# Allegro board hdk2_0-hmd-2-pvt-l8-0526p1530.brd (continued)
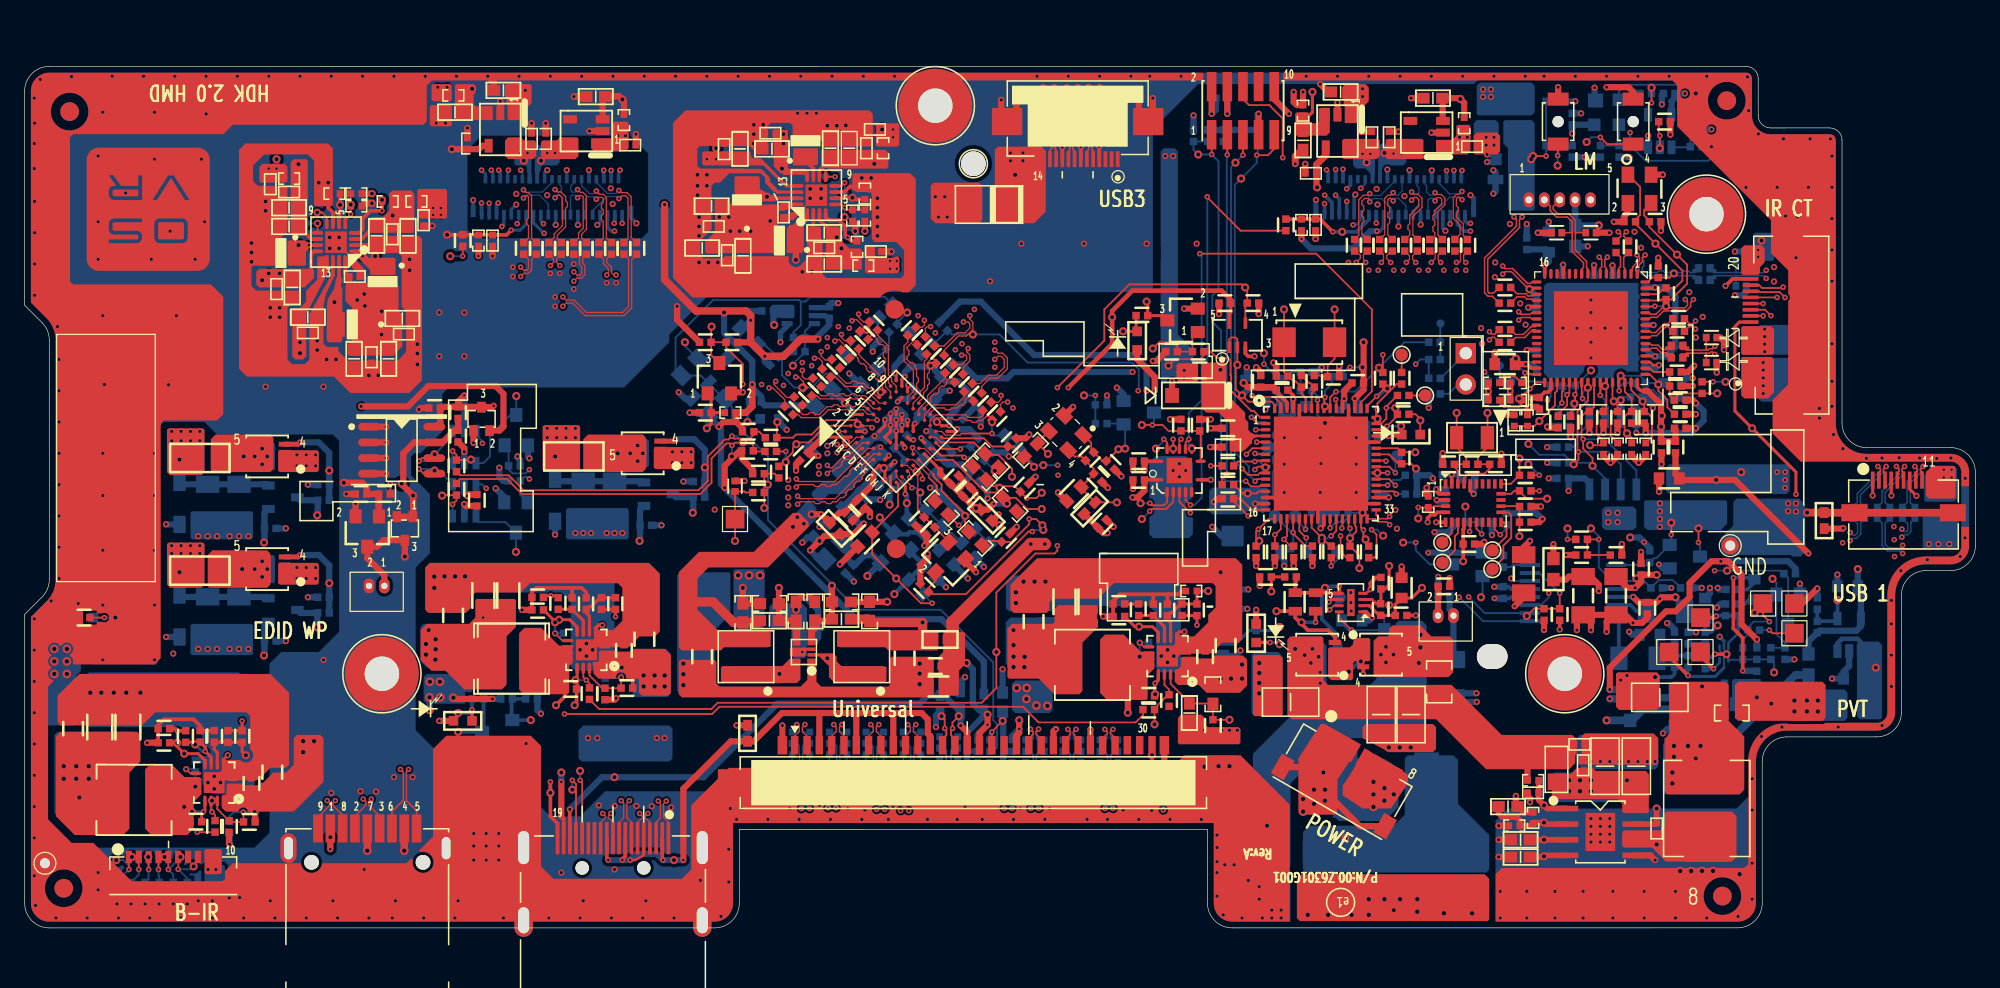
[diagram p0: board, top side]
## Library data of the parts (continued)
FB1 FB2 FB4 FB6-FB9 FB11 FB16 FB23 FB24 FB56 FB58-FB70 FB79 = FERRITE BEAD
FID1-FID16 = FID
FS1-FS3 = AMN_PTC
J1 = CON2_10
J4 = CONN9,USB3,UEA111JC-RA4U4-7H_1
J6 = CON10A_1
J10 = CON5_4
J15 J18 J102 = 2 HEADER
J20 = CON34_6
J22 = CON2_12
J28 = CON24_0
J66 = CON5_8
J68 = CON2_3
J69 = CON2_4
J71 = CON34_7
J101 = CON2_5
L1 L21 L22 = CHOKE_C-MODE_0504-DLP11SN900SL2
L4 L5 L8 L9 L12 L13 L36 L37 = INDUCTOR
L23 = INDUCTOR_1
L25 L30-L35 = INDUCTOR_2
LD4 LD5 LD8 LD11 LD13 LD16 LD17 = LED
M1-M6 = Mounting Hole
Q7 Q11 Q15 Q28 Q32 Q40 Q42 Q43 = MMBT2222ALT1G_0
Q10 Q21 Q23 Q25 Q26 Q30 Q31 Q41 = N-MOSFET
Q19 Q20 Q34 Q36 Q38 = N-CH PowerPAK1212-8
Q29 = FDY3000NZ
Q33 Q35 Q37 = 2N7002/SOT_0
R19 R25 R28 R30 R37 R41 R52 R55 R62-R67 R72 R75 R76 R79 R83-R87 R91 R92 R94-R96 R103 R107 R112 R113 R115 R122 R186 R193 R196 R197 R202 R206 R210 R219 R220 R222 R235 R237 R239 R245 R247 R248 R252 R253 R255 R259 R271 R274 R278 R287 R303 R316 R323 R331 R336 R340 R341 R350-R353 R440 R450 R453 R455 R461-R472 R507-R529 R531 R532 R536 R539 R540 R542-R548 R552-R555 R558-R563 R742 R744 R748-R751 R758-R761 R763-R765 R768 R770 R772 R775 R781 R795 R800 R802 R803 R806 R830 R1001 R1002 R1085-R1093 R1096-R1101 R1103-R1153 R1156-R1158 = RESISTOR
R106 R127 R199 R207 R254 R265-R269 R286 R309 R313 R369 R791 R1160 = R0402
R564-R566 R729 R1003 = R_25
R567 R569-R575 R578-R583 R762 R792-R794 R796-R799 R801 R804 R805 R807 R808 R844-R851 R1155 = R: room: 14
R568 R600-R637 R700 R711-R716 R728 R730-R741 R825 R838-R843 R1004 R1154 R1159 = 1_0.00K-1/10W-1%-0603
R717 R826 R1161 R1162 = R_66
R743 R745 R746 = R 0 5% 1/16W 0402
R1094 R1095 R1102 = R 0 5% 1/10W 0805
SW1 SW2 = SW PUSHBUTTON_1
T1 T2 = HOLE
TP7 TP8 = TH_TP
TP10-TP13 TP17 TP18 TP37-TP42 TP54-TP59 TP101 TP102 = T POINT R
TP27 TP28 TP50 TP51 TP110 TP111 = CON1,TP,SMT,TestPad_C26_0: room: 3
TP60 TP104 TP105 = CON1,TP,SMT,TestPad_C26_0: room: 8
U4 U16 U29 = TPS54218RTER
U6 U8 = RCLAMP0524P
U7 = MIC8114TUY_0: room: U5
U12 = ATmega128L_1
U33 = SP1004
U34 = SP3050_0
U35 = SN74LVC1G08-EP_1
U36 = UDA1334BTS: User Part Number: ***; Tolerance: ***; room: U20
U41 = LTC4365ID_0
U45 = LTC4365ID
U46 = USB5534_QFN64_10
U47 = SPI_FLASH-25X20_SO8_0
U50 = TPS715xx_4
U51 = RT9202CS_0
U52 U62 = TPS54218RTER_0
U53 U54 U60 U61 = MIC5205-5_0.0BM5
U55 = TXB0104RGYR_2
U57 = TC358870XBG
U63 = LD1117-xxx_2
U64 U66 = TS5A3157_0
U65 = 24C16_2
U111 = 74LVC1G07_0
Y1 Y5 = XTALCAN_0
Y6 = XTAL-4
Y7 = D3SX48E00000CE

## Footprints (pads in the part's own frame, mm; a bottom-side part is the same pattern mirrored in y, then rotated)
8-LEAD_DFN3X2
  rect 0.711x0.254 smd: 1(-0.95,0.75) 2(-0.95,0.25) 3(-0.95,-0.25) 4(-0.95,-0.75) 5(0.95,-0.75) 6(0.95,-0.25) 7(0.95,0.25) 8(0.95,0.75)
  rect 0.61x2.21 smd: 9(0,0)
053047-0210
  oval 0.864x1.219 hole 0.508: 1(0.625,-0.35) 2(-0.625,-0.35)
53047-0510
  oval 0.864x1.219 hole 0.559: 1(2.5,0) 2(1.25,0) 3(0,0) 4(-1.25,0) 5(-2.5,0)
ABM3
  rect 1.905x2.413 smd: 1(-2.052,0) 2(2.052,0)
ACES_50502-14
  rect 0.305x1.295 smd: 1(-3.25,0) 2(-2.75,0) 3(-2.25,0) 4(-1.75,0) 5(-1.25,0) 6(-0.75,0) 7(-0.25,0) 8(0.25,0) 9(0.75,0) 10(1.25,0) 11(1.75,0) 12(2.25,0) 13(2.75,0) 14(3.25,0)
  rect 2.464x2.21 smd: S1(-5.727,-3.05) S2(5.727,-3.05)
ACES_50502-20
  rect 0.305x1.295 smd: 1(-4.75,0) 2(-4.25,0) 3(-3.75,0) 4(-3.25,0) 5(-2.75,0) 6(-2.25,0) 7(-1.75,0) 8(-1.25,0) 9(-0.75,0) 10(-0.25,0) 11(0.25,0) 12(0.75,0) 13(1.25,0) 14(1.75,0) 15(2.25,0) 16(2.75,0) 17(3.25,0) 18(3.75,0) 19(4.25,0) 20(4.75,0)
  rect 2.159x2.21 smd: S1(-7.075,-3.05) S2(7.075,-3.05)
ACES_88460-10
  rect 0.508x1.016 smd: 1(-3.6,0) 2(-2.8,0) 3(-2,0) 4(-1.2,0) 5(-0.4,0) 6(0.4,0) 7(1.2,0) 8(2,0) 9(2.8,0) 10(3.6,0)
  rect 1.194x1.702 smd: S1(4.9,-1.95) S2(-4.9,-1.95)
B3U-1000P-B
  round 0.914 hole 0.914 unplated: (0,0)
  rect 1.067x1.702 smd: 1(-1.829,0) 2(1.829,0)
C0402
  rect 0.559x0.559 smd: 1(-0.457,0) 2(0.457,0)
C0603
  rect 1.016x0.889 smd: 1(-0.775,0) 2(0.775,0)
C1206
  rect 1.27x1.651 smd: 1(-1.397,0) 2(1.397,0)
CAPN_RCLAMP0524
  rect 0.203x0.686 smd: 1(-1,-0.437) 2(-0.5,-0.437) 4(0.5,-0.437) 5(1,-0.437) 6(1,0.437) 7(0.5,0.437) 8(0,0.437) 9(-0.5,0.437) 10(-1,0.437)
  rect 0.406x1.549 smd: 3(0,0)
CASE-A-3216
  rect 1.676x1.803 smd: N(1.384,0) P(-1.384,0)
CC0402_IPC7351
  rect 0.61x0.61 smd: 1(-0.47,0) 2(0.47,0)
CC0603_IPC7351
  rect 0.864x0.991 smd: 1(-0.826,0) 2(0.826,0)
CC0805_IPC7351
  rect 1.092x1.397 smd: 1(-0.927,0) 2(0.927,0)
CC1206-18
  rect 1.397x1.905 smd: 1(-1.549,0) 2(1.549,0)
CHILISIN_LVS404026
  rect 4.013x1.194 smd: 1(0,1.4) 2(0,-1.4)
CHYAO_JS-1191PSDR-11
  rect 0.305x1.397 smd: 1(-2.5,0) 2(-2,0) 3(-1.5,0) 4(-1,0) 5(-0.5,0) 6(0,0) 7(0.5,0) 8(1,0) 9(1.5,0) 10(2,0) 11(2.5,0)
  rect 2.108x1.397 smd: S1(3.998,-2.65) S2(-3.998,-2.65)
CM315-32_768KDZC
  rect 1.092x1.905 smd: 1(-1.25,0) 2(1.25,0)
D-SMB
  rect 1.829x2.54 smd: 1(2.261,0) 2(-2.261,0)
DFE252012C
  rect 1.295x2.007 smd: 1(-1.255,0) 2(1.255,0)
DFN2X1_5-8
  rect 0.61x0.254 smd: 1(-0.6,0.675) 2(-0.6,0.225) 3(-0.6,-0.225) 4(-0.6,-0.675) 5(0.6,-0.675) 6(0.6,-0.225) 7(0.6,0.225) 8(0.6,0.675)
  rect 0.254x0.711 smd: 9(0,0)
DIO_RCLAMP0521P
  rect 0.559x0.61 smd: 1(-0.425,0) 2(0.425,0)
FB0402
  rect 0.889x0.711 smd: 1(-0.65,0) 2(0.65,0)
FB0603
  rect 1.092x1.016 smd: 1(-0.85,0) 2(0.85,0)
FB1206
  rect 1.6x1.803 smd: 1(-1.397,0) 2(1.397,0)
FIDUSHEL
  round 1.524 smd: 1(0,0)
FIDUSHEL#2
  round 0 smd: 1(0,0)
FINGER79X158
  rect 2.007x4.013 smd: 1(0,0)
HOLEC79D79N
  round 2.007 hole 2.007 unplated: (0,0)
HOLEC236D110
  round 5.994 hole 2.794: 1(0,0)
HOLEO98X79N
  oval 2.489x2.007 hole 2.489x2.007 unplated: (0,0)
HOSONIC-3225
  rect 1.194x0.94 smd: 1(-1.1,-0.875) 2(1.1,-0.875) 3(1.1,0.875) 4(-1.1,0.875)
HRS_FH35C-39S-0_3SHW
  rect 0.305x0.787 smd: 1(5.7,0.4) 3(5.1,0.4) 5(4.5,0.4) 7(3.9,0.4) 9(3.3,0.4) 11(2.7,0.4) 13(2.1,0.4) 15(1.5,0.4) 17(0.9,0.4) 19(0.3,0.4) 21(-0.3,0.4) 23(-0.9,0.4) 25(-1.5,0.4) 27(-2.1,0.4) 29(-2.7,0.4) 31(-3.3,0.4) 33(-3.9,0.4) 35(-4.5,0.4) 37(-5.1,0.4) 39(-5.7,0.4)
  rect 0.305x0.66 smd: 2(5.4,3.275) 4(4.8,3.275) 6(4.2,3.275) 8(3.6,3.275) 10(3,3.275) 12(2.4,3.275) 14(1.8,3.275) 16(1.2,3.275) 18(0.6,3.275) 20(0,3.275) 22(-0.6,3.275) 24(-1.2,3.275) 26(-1.8,3.275) 28(-2.4,3.275) 30(-3,3.275) 32(-3.6,3.275) 34(-4.2,3.275) 36(-4.8,3.275) 38(-5.4,3.275)
  rect 0.406x0.94 smd: S1(-6.4,0.675) S2(6.4,0.675)
I-PEX_20389-030E
  rect 0.61x1.499 smd: 1(-14.5,3.1) 2(-13.5,3.1) 3(-12.5,3.1) 4(-11.5,3.1) 5(-10.5,3.1) 6(-9.5,3.1) 7(-8.5,3.1) 8(-7.5,3.1) 9(-6.5,3.1) 10(-5.5,3.1) 11(-4.5,3.1) 12(-3.5,3.1) 13(-2.5,3.1) 14(-1.5,3.1) 15(-0.5,3.1) 16(0.5,3.1) 17(1.5,3.1) 18(2.5,3.1) 19(3.5,3.1) 20(4.5,3.1) 21(5.5,3.1) 22(6.5,3.1) 23(7.5,3.1) 24(8.5,3.1) 25(9.5,3.1) 26(10.5,3.1) 27(11.5,3.1) 28(12.5,3.1) 29(13.5,3.1) 30(14.5,3.1)
  rect 2.311x2.311 smd: G1(-19.579,0) G2(19.579,0)
  rect 0.787x1.499 smd: S1(-15.5,3.1) S2(15.5,3.1)
IND_DLP11S
  rect 0.711x0.305 smd: 1(-0.625,-0.275) 2(0.625,-0.275) 3(0.625,0.275) 4(-0.625,0.275)
IND_DLW5BT
  rect 2.311x1.702 smd: 1(-1.6,1.5) 2(-1.6,-1.5) 3(1.6,-1.5) 4(1.6,1.5)
IND_IHLP2020CZ
  rect 1.93x2.794 smd: 1(-2.032,0) 2(2.032,0)
IND_XAL5030-332ME
  rect 1.18x4.34 smd: 1(-1.655,0) 2(1.655,0)
INDC0805
  rect 1.295x1.499 smd: 1(-1,0) 2(1,0)
JST_11002W90-08-S-XX-HF
  rect 0.61x1.549 smd: 1(-3.5,0) 2(-2.5,0) 3(-1.5,0) 4(-0.5,0) 5(0.5,0) 6(1.5,0) 7(2.5,0) 8(3.5,0)
  rect 1.194x1.803 smd: S1(4.8,-3.875) S2(-4.8,-3.875)
L0805
  rect 1.346x1.448 smd: 1(-1.003,0) 2(1.003,0)
LED_SML-LX0603GW
  rect 0.787x0.787 smd: 1(-0.75,0) 2(0.75,0)
LGA-28
  rect 0.305x0.762 smd: 1(-2.25,1.56) 6(-2.25,-1.56) 7(-1.75,-1.56) 8(-1.25,-1.56) 9(-0.75,-1.56) 10(-0.25,-1.56) 11(0.25,-1.56) 12(0.75,-1.56) 13(1.25,-1.56) 14(1.75,-1.56) 15(2.25,-1.56) 20(2.25,1.56) 21(1.75,1.56) 22(1.25,1.56) 23(0.75,1.56) 24(0.25,1.56) 25(-0.25,1.56) 26(-0.75,1.56) 27(-1.25,1.56) 28(-1.75,1.56)
  rect 0.762x0.305 smd: 2(-2.25,0.75) 3(-2.25,0.25) 4(-2.25,-0.25) 5(-2.25,-0.75) 16(2.25,-0.75) 17(2.25,-0.25) 18(2.25,0.25) 19(2.25,0.75)
M50-3600542
  rect 0.787x2.388 smd: 1(-2.54,-1.95) 2(-2.54,1.95) 3(-1.27,-1.95) 4(-1.27,1.95) 5(0,-1.95) 6(0,1.95) 7(1.27,-1.95) 8(1.27,1.95) 9(2.54,-1.95) 10(2.54,1.95)
POLYTRONICS_SMD2920HF
  rect 2.007x5.309 smd: 1(-3.3,0) 2(3.3,0)
PTC_NANO_SMDC
  rect 1.397x1.905 smd: 1(-1.549,0) 2(1.549,0)
PVQFN-14
  oval 0.838x0.279 smd: 1(-1.725,-0.75) 7(1.725,-0.75) 8(1.725,0.75) 14(-1.725,0.75)
  oval 0.279x0.838 smd: 2(-1,-1.75) 3(-0.5,-1.75) 4(0,-1.75) 5(0.5,-1.75) 6(1,-1.75) 9(1,1.75) 10(0.5,1.75) 11(0,1.75) 12(-0.5,1.75) 13(-1,1.75)
  rect 2.057x2.057 smd: 15(0,0)
PWR-PAK_1212_EINF4399
  rect 0.991x0.406 smd: 1(-1.435,0.991) 2(-1.435,0.33) 3(-1.435,-0.33) 4(-1.435,-0.991)
  custom 2.235x2.388 smd: 5(0.813,0)
QFN16-0_5MM
  oval 0.305x0.914 smd: 1(-0.749,-1.501) 2(-0.249,-1.501) 3(0.249,-1.501) 4(0.749,-1.501) 9(0.749,1.501) 10(0.249,1.501) 11(-0.249,1.501) 12(-0.749,1.501)
  oval 0.914x0.305 smd: 5(1.501,-0.749) 6(1.501,-0.249) 7(1.501,0.249) 8(1.501,0.749) 13(-1.501,0.749) 14(-1.501,0.249) 15(-1.501,-0.249) 16(-1.501,-0.749)
  rect 1.753x1.753 smd: 17(0,0)
QFN16-0_5MM#2
  custom 0.305x0.912 smd: 1(-0.749,-1.501)
  oval 0.305x0.914 smd: 2(-0.249,-1.501) 3(0.249,-1.501) 4(0.749,-1.501) 9(0.749,1.501) 10(0.249,1.501) 11(-0.249,1.501) 12(-0.749,1.501)
  oval 0.914x0.305 smd: 5(1.501,-0.749) 6(1.501,-0.249) 7(1.501,0.249) 8(1.501,0.749) 13(-1.501,0.749) 14(-1.501,0.249) 15(-1.501,-0.249)
  custom 0.914x0.305 smd: 16(-1.501,-0.749)
  rect 1.753x1.753 smd: 17(0,0)
QFN50P300X300_16_PWP_TI_EINF_1
  custom 0.851x0.279 smd: 1(-1.475,0.75) 2(-1.475,0.25) 3(-1.475,-0.25) 4(-1.475,-0.75) 9(1.475,-0.75) 10(1.475,-0.25) 11(1.475,0.25) 12(1.475,0.75)
  custom 0.279x0.851 smd: 5(-0.75,-1.475) 6(-0.25,-1.475) 7(0.25,-1.475) 8(0.75,-1.475) 13(0.75,1.475) 14(0.25,1.475) 15(-0.25,1.475) 16(-0.75,1.475)
  rect 1.702x1.702 smd: 17(0,0)
QFN-64M2
  rect 0.762x0.279 smd: 1(-4.483,3.749) 2(-4.483,3.249) 3(-4.483,2.749) 4(-4.483,2.249) 5(-4.483,1.75) 6(-4.483,1.25) 7(-4.483,0.75) 8(-4.483,0.25) 9(-4.483,-0.25) 10(-4.483,-0.75) 11(-4.483,-1.25) 12(-4.483,-1.75) 13(-4.483,-2.249) 14(-4.483,-2.749) 15(-4.483,-3.249) 16(-4.483,-3.749) 33(4.483,-3.749) 34(4.483,-3.249) 35(4.483,-2.749) 36(4.483,-2.249) 37(4.483,-1.75) 38(4.483,-1.25) 39(4.483,-0.75) 40(4.483,-0.25) 41(4.483,0.25) 42(4.483,0.75) 43(4.483,1.25) 44(4.483,1.75) 45(4.483,2.249) 46(4.483,2.749) 47(4.483,3.249) 48(4.483,3.749)
  rect 0.279x0.762 smd: 17(-3.749,-4.483) 18(-3.249,-4.483) 19(-2.749,-4.483) 20(-2.249,-4.483) 21(-1.75,-4.483) 22(-1.25,-4.483) 23(-0.75,-4.483) 24(-0.25,-4.483) 25(0.25,-4.483) 26(0.75,-4.483) 27(1.25,-4.483) 28(1.75,-4.483) 29(2.249,-4.483) 30(2.749,-4.483) 31(3.249,-4.483) 32(3.749,-4.483) 49(3.749,4.483) 50(3.249,4.483) 51(2.749,4.483) 52(2.249,4.483) 53(1.75,4.483) 54(1.25,4.483) 55(0.75,4.483) 56(0.25,4.483) 57(-0.25,4.483) 58(-0.75,4.483) 59(-1.25,4.483) 60(-1.75,4.483) 61(-2.249,4.483) 62(-2.749,4.483) 63(-3.249,4.483) 64(-3.749,4.483)
  rect 7.645x7.645 smd: 65(0,0)
R0402
  rect 0.559x0.559 smd: 1(-0.457,0) 2(0.457,0)
R0603
  rect 1.016x0.889 smd: 1(-0.775,0) 2(0.775,0)
R0805
  rect 1.143x1.397 smd: 1(-0.953,0) 2(0.953,0)
R1206
  rect 1.27x1.778 smd: 1(-1.524,0) 2(1.524,0)
R-PDSO-G8
  rect 0.457x1.803 smd: 1(-1.905,-2.697) 2(-0.635,-2.697) 3(0.635,-2.697) 4(1.905,-2.697) 5(1.905,2.697) 6(0.635,2.697) 7(-0.635,2.697) 8(-1.905,2.697)
  rect 3.099x2.413 smd: 9(0,0)
RC0402_IPC7351
  rect 0.61x0.61 smd: 1(-0.47,0) 2(0.47,0)
RC0603
  rect 0.711x1.092 smd: 1(-0.75,0) 2(0.75,0)
RC0603_IPC7351
  rect 0.864x0.991 smd: 1(-0.826,0) 2(0.826,0)
SC89_6P
  rect 0.787x0.305 smd: 1(-0.749,0.5) 2(-0.749,0) 3(-0.749,-0.5) 4(0.749,-0.5) 5(0.749,0) 6(0.749,0.5)
SINGATRON_2UB2311-000111F
  round 1.194 hole 1.194 unplated: (-4.525,8.2) (4.525,8.2)
  rect 0.787x2.286 smd: 1(-3,10.95) 2(-1,10.95) 3(1,10.95) 4(3,10.95) 5(4,10.95) 6(2,10.95) 7(0,10.95) 8(-2,10.95) 9(-4,10.95)
  oval 1.321x2.413 hole 0.711x1.803: G1(-6.4,9.35) G2(6.4,9.35)
  round 0 smd: S1(-6.9,0) S2(6.9,0)
SMPI0603HW
  rect 2.489x3.505 smd: 1(-3.1,0) 2(3.1,0)
SO8N
  rect 1.778x0.635 smd: 1(-2.927,1.905) 2(-2.927,0.635) 3(-2.927,-0.635) 4(-2.927,-1.905) 5(2.927,-1.905) 6(2.927,-0.635) 7(2.927,0.635) 8(2.927,1.905)
SOD123
  rect 1.4x1 smd: 1(-1.7,0) 2(1.7,0)
SOD323F
  rect 0.787x0.787 smd: 1(-1.1,0) 2(1.1,0)
SOD-123
  rect 1.118x1.219 smd: A(-1.74,0) K(1.74,0)
SOD-323F
  rect 1.041x0.559 smd: A(-1.4,0) K(1.4,0)
SOP8
  oval 0.635x1.778 smd: 1(-1.905,-2.642) 2(-0.635,-2.642) 3(0.635,-2.642) 4(1.905,-2.642) 5(1.905,2.642) 6(0.635,2.642) 7(-0.635,2.642) 8(-1.905,2.642)
SOT23
  rect 0.991x1.143 smd: 1(-0.953,-1.232) 2(0.953,-1.232) 3(0,1.232)
SOT23-5
  rect 1.118x0.66 smd: 1(-1.321,0.95) 2(-1.321,0) 3(-1.321,-0.95) 4(1.321,-0.95) 5(1.321,0.95)
SOT23-MOS
  rect 0.66x1.016 smd: 1(-0.965,-1.168) 2(0.935,-1.168) 3(-0.015,1.182)
SOT23_6
  rect 0.559x1.016 smd: 1(-0.95,-1.3) 2(0,-1.3) 3(0.95,-1.3) 4(0.95,1.3) 5(0,1.3) 6(-0.95,1.3)
SOT23_132
  rect 0.991x1.143 smd: 1(-0.953,-1.232) 2(0,1.232) 3(0.953,-1.232)
SOT323-132
  rect 0.711x0.889 smd: 1(-0.65,-0.95) 2(0.65,-0.95) 3(0,0.95)
SOT353
  rect 0.305x0.94 smd: 1(1.129,-0.416) 2(1.779,-0.416) 3(2.429,-0.416) 4(2.429,1.553) 5(1.129,1.553)
SOT363-6
  rect 0.432x0.914 smd: 1(-0.65,-1.102) 2(0,-1.102) 3(0.65,-1.102) 4(0.65,1.102) 5(0,1.102) 6(-0.65,1.102)
SOT953
  rect 0.457x0.203 smd: 1(-0.508,0.356) 2(-0.508,0) 3(-0.508,-0.356) 4(0.508,-0.356) 5(0.508,0.356)
SOT-143
  rect 1.219x1.143 smd: 1(-0.898,-0.953)
  rect 1.016x1.016 smd: 2(1,-1.016) 3(1,1.016) 4(-1,1.016)
SSOP16
  rect 1.651x0.33 smd: 1(-3.505,2.276) 2(-3.505,1.626) 3(-3.505,0.975) 4(-3.505,0.325) 5(-3.505,-0.325) 6(-3.505,-0.975) 7(-3.505,-1.626) 8(-3.505,-2.276) 9(3.505,-2.276) 10(3.505,-1.626) 11(3.505,-0.975) 12(3.505,-0.325) 13(3.505,0.325) 14(3.505,0.975) 15(3.505,1.626) 16(3.505,2.276)
SUP_PGB1010603MR
  rect 0.762x1.27 smd: 1(0,-0.89) 2(0,0.89)
TANB
  rect 1.27x2.54 smd: 1(-1.651,0) 2(1.651,0)
TE_C-1747981
  round 1.092 hole 1.092 unplated: (-2.5,0) (2.5,0)
  rect 0.305x2.616 smd: 1(4.5,2.41) 2(4,2.41) 3(3.5,2.41) 4(3,2.41) 5(2.5,2.41) 6(2,2.41) 7(1.5,2.41) 8(1,2.41) 9(0.5,2.41) 10(0,2.41) 11(-0.5,2.41) 12(-1,2.41) 13(-1.5,2.41) 14(-2,2.41) 15(-2.5,2.41) 16(-3,2.41) 17(-3.5,2.41) 18(-4,2.41) 19(-4.5,2.41)
  oval 1.499x3.302 hole 0.889x2.692: G1(-7.25,1.65) G2(7.25,1.65)
  oval 1.499x2.692 hole 0.889x2.108: G3(-7.25,-4.25) G4(7.25,-4.25)
TP52C35DP
  round 1.422 hole 0.813: 1(0,0)
TP_SMT_40MIL
  round 1.016 smd: 1(0,0)
TP_SMT_60MIL
  rect 1.524x1.524 smd: 1(0,0)
TPC26T
  round 0.66 smd: 1(0,0)
TSW-102-23-L-S
  rect 1.651x1.651 hole 0.991: 1(0,0)
  round 1.651 hole 0.991: 2(2.54,0)
USB5534_QFN64
  oval 0.813x0.279 smd: 1(-4.41,3.75) 2(-4.41,3.25) 3(-4.41,2.75) 4(-4.41,2.25) 5(-4.41,1.75) 6(-4.41,1.25) 7(-4.41,0.75) 8(-4.41,0.25) 9(-4.41,-0.25) 10(-4.41,-0.75) 11(-4.41,-1.25) 12(-4.41,-1.75) 13(-4.41,-2.25) 14(-4.41,-2.75) 15(-4.41,-3.25) 16(-4.41,-3.75) 33(4.41,-3.75) 34(4.41,-3.25) 35(4.41,-2.75) 36(4.41,-2.25) 37(4.41,-1.75) 38(4.41,-1.25) 39(4.41,-0.75) 40(4.41,-0.25) 41(4.41,0.25) 42(4.41,0.75) 43(4.41,1.25) 44(4.41,1.75) 45(4.41,2.25) 46(4.41,2.75) 47(4.41,3.25) 48(4.41,3.75)
  oval 0.279x0.813 smd: 17(-3.75,-4.41) 18(-3.25,-4.41) 19(-2.75,-4.41) 20(-2.25,-4.41) 21(-1.75,-4.41) 22(-1.25,-4.41) 23(-0.75,-4.41) 24(-0.25,-4.41) 25(0.25,-4.41) 26(0.75,-4.41) 27(1.25,-4.41) 28(1.75,-4.41) 29(2.25,-4.41) 30(2.75,-4.41) 31(3.25,-4.41) 32(3.75,-4.41) 49(3.75,4.41) 50(3.25,4.41) 51(2.75,4.41) 52(2.25,4.41) 53(1.75,4.41) 54(1.25,4.41) 55(0.75,4.41) 56(0.25,4.41) 57(-0.25,4.41) 58(-0.75,4.41) 59(-1.25,4.41) 60(-1.75,4.41) 61(-2.25,4.41) 62(-2.75,4.41) 63(-3.25,4.41) 64(-3.75,4.41)
  rect 5.994x5.994 smd: 65(0,0)
VFBGA80_7X7-0_65
  round 0.305 smd: A1(-2.925,-2.925) A2(-2.925,-2.275) A3(-2.925,-1.625) A4(-2.925,-0.975) A5(-2.925,-0.325) A6(-2.925,0.325) A7(-2.925,0.975) A8(-2.925,1.625) A9(-2.925,2.275) A10(-2.925,2.925) B1(-2.275,-2.925) B2(-2.275,-2.275) B3(-2.275,-1.625) B4(-2.275,-0.975) B5(-2.275,-0.325) B6(-2.275,0.325) B7(-2.275,0.975) B8(-2.275,1.625) B9(-2.275,2.275) B10(-2.275,2.925) C1(-1.625,-2.925) C2(-1.625,-2.275) C9(-1.625,2.275) C10(-1.625,2.925) D1(-0.975,-2.925) D2(-0.975,-2.275) D4(-0.975,-0.975) D5(-0.975,-0.325) D6(-0.975,0.325) D7(-0.975,0.975) D9(-0.975,2.275) D10(-0.975,2.925) E1(-0.325,-2.925) E2(-0.325,-2.275) E4(-0.325,-0.975) E5(-0.325,-0.325) E6(-0.325,0.325) E7(-0.325,0.975) E9(-0.325,2.275) E10(-0.325,2.925) F1(0.325,-2.925) F2(0.325,-2.275) F4(0.325,-0.975) F5(0.325,-0.325) F6(0.325,0.325) F7(0.325,0.975) F9(0.325,2.275) F10(0.325,2.925) G1(0.975,-2.925) G2(0.975,-2.275) G4(0.975,-0.975) G5(0.975,-0.325) G6(0.975,0.325) G7(0.975,0.975) G9(0.975,2.275) G10(0.975,2.925) H1(1.625,-2.925) H2(1.625,-2.275) H9(1.625,2.275) H10(1.625,2.925) J1(2.275,-2.925) J2(2.275,-2.275) J3(2.275,-1.625) J4(2.275,-0.975) J5(2.275,-0.325) J6(2.275,0.325) J7(2.275,0.975) J8(2.275,1.625) J9(2.275,2.275) J10(2.275,2.925) K1(2.925,-2.925) K2(2.925,-2.275) K3(2.925,-1.625) K4(2.925,-0.975) K5(2.925,-0.325) K6(2.925,0.325) K7(2.925,0.975) K8(2.925,1.625) K9(2.925,2.275) K10(2.925,2.925)
XTAL_ABM8
  rect 1.321x1.041 smd: 1(-1.156,-0.94) 2(1.156,-0.94) 3(1.156,0.94) 4(-1.156,0.94)

## Nets
1V2_VCLK: R186.1 U29.8(RT/CLK)
1V2_VCOMP: C120.1 R193.1 U29.7(COMP)
1V2_VFB: C123.2 R199.2 R207.1 R728.2 U29.6(VSENSE)
1V2_VPH: C119.2 L12.1 L13.1 U29.10(PH0) U29.11(PH1) U29.12(PH2)
1V2_VUNREG: C100.1 C104.2 C108.2 C111.1 C113.1 C123.1 FB16.2 L12.2 L13.2 R207.2
12V_IN: C646.1 C657.1 C658.1 C659.1 C660.1 L23.2 Q20.5(D1) R564.1 R581.1 U45.6(VOUT)
12V_R: C3.1 C145.1 FB1.2 L1.3 Q19.5(D1) R220.1 R509.1 R510.1 R581.2 U45.4(VIN)
+12V: FS1.1 J66.5 J66.6 J66.7 J66.8
+12V_F: C1.1 C2.1 C136.1 D1.2(CATHODE) FB1.1 FS1.2 L1.4
AVDD_11_HDMI: C740.2 C741.2 C742.2 FB65.1 U57.B2(VDD11_HDMI#B2) U57.G2(VDD11_HDMI#G2)
AVDD_33_HDMI: C745.2 C746.2 C747.2 FB67.1 R762.1 U57.B1(VDD33_HDMI#B1) U57.G1(VDD33_HDMI#G1)
AVDD_COM_L: C718.1 C719.1 J20.7 J20.8 U52.13(VO3)
AVDD_COM_R: C828.1 C829.1 J71.7 J71.8 U62.13(VO3)
AVDD_EN_COM_L: J20.11 TP51.1 U52.8(ENO3)
AVDD_EN_COM_R: J71.11 TP111.1 U62.8(ENO3)
DGND: C3.2 C5.1 C6.2 C9.1 C18.1 C20.2 C23.2 C25.2 C26.1 C28.2 C29.2 C31.1 C32.1 C33.1 C34.1 C36.2 C38.1 C39.1 C41.1 C42.N C43.1 C45.1 C48.1 C49.2 C51.2 C52.2 C54.1 C57.2 C61.2 C72.1 C76.1 C81.2 C100.2 C104.1 C108.1 C111.2 C113.2 C116.2 C120.2 C127.1 C129.2 C144.2 C145.2 C153.1 C156.1 C157.2 C159.1 C164.1 C169.1 C175.2 C201.1 C208.1 C209.1 C220.2 C229.1 C231.1 C244.2 C255.1 C285.1 C298.2 C303.1 C306.1 C545.2 C575.1 C576.1 C577.1 C578.2 C579.2 C580.1 C581.2 C582.1 C583.1 C584.2 C602.2 C603.1 C611.2 C613.2 C615.1 C616.1 C617.1 C618.1 C619.1 C620.1 C621.1 C622.1 C623.1 C624.2 C625.1 C626.1 C627.1 C628.1 C629.2 C632.2 C633.2 C638.1 C641.2 C642.2 C643.2 C644.1 C645.2 C646.2 C647.2 C648.2 C649.2 C651.2 C653.2 C654.2 C655.2 C656.2 C657.2 C658.2 C659.2 C660.2 C700.2 C701.1 C702.2 C703.2 C704.2 C705.2 C706.2 C707.2 C708.2 C709.2 C710.2 C711.2 C712.2 C713.2 C714.2 C715.2 C716.2 C717.2 C718.2 C719.2 C720.1 C721.1 C722.1 C723.1 C724.2 C725.1 C726.2 C727.2 C728.2 C729.1 C731.1 C732.2 C733.1 C735.1 C736.1 C737.1 C738.1 C739.1 C740.1 C741.1 C742.1 C743.1 C744.1 C745.1 C746.1 C747.1 C748.1 C749.1 C750.1 C751.1 C752.1 C753.2 C754.2 C755.1 C757.1 C758.1 C759.2 C760.2 C761.2 C762.2 C763.2 C764.2 C805.1 C806.1 C807.1 C808.1 C809.1 C810.2 C811.1 C812.2 C813.2 C814.2 C815.2 C816.2 C817.2 C818.2 C819.2 C820.2 C821.2 C822.2 C823.2 C824.2 C825.2 C826.2 C827.2 C828.2 C829.2 C831.2 C832.1 C833.1 C834.1 C835.1 C837.1 C838.1 C1000.2 C1001.2 C1002.2 C1003.1 C1004.1 C1005.1 C1006.1 C1007.1 C1008.1 C1009.1 C1010.1 C1011.1 C1012.1 C1013.1 C1014.1 C1015.1 C1016.1 C1111.1 C1112.1 C1113.1 C1114.1 D6.A(ANODE) ESD5.2 ESD8.2 ESD13.1 ESD14.1 ESD16.2 ESD17.2 ESD18.2 ESD19.2 ESD20.2 ESD21.2 ESD22.2 FB2.2 FB11.1 FB23.2 FB24.2 FB62.2 J1.22 J1.25 J1.G1 J1.G2 J1.S1 J1.S2 J4.4(GND1) J4.7(GND2) J4.G1(GND3) J4.G2(GND4) J6.2 J6.10 J20.9 J20.18 J20.21 J20.24 J20.27 J20.30 J20.33 J20.S1 J20.S2 J22.4 J22.7 J22.10 J22.S1 J22.S2 J28.G1 J28.G2 J28.G3 J28.G4 J68.6 J68.7 J68.8 J68.9 J68.10 J68.18 J68.S1 J68.S2 J69.S1 J69.S2 J71.9 J71.18 J71.21 J71.24 J71.27 J71.30 J71.33 J71.S1 J71.S2 J101.1 J101.4 J101.7 J102.2 L1.2 L32.2 L35.2 LD13.2(T-) LD16.2(T-) M1.1 M2.1 M3.1 M4.1 Q7.2(EMITTER) Q10.3(S) Q11.2(EMITTER) Q23.3(S) Q29.1(S) Q29.4(S) Q32.2(EMITTER) Q34.1(S1) Q34.2(S2) Q34.3(S3) Q36.1(S1) Q36.2(S2) Q36.3(S3) Q38.1(S1) Q38.2(S2) Q38.3(S3) Q40.2(EMITTER) Q42.2(EMITTER) Q43.2(EMITTER) R30.1 R41.2 R84.2 R87.2 R92.2 R106.1 R186.2 R196.1 R197.1 R199.1 R210.1 R220.2 R222.2 R248.2 R252.2 R269.1 R274.2 R286.1 R323.2 R340.2 R350.2 R351.1 R453.2 R465.1 R472.2 R513.2 R515.1 R522.1 R523.1 R524.1 R547.1 R548.2 R558.2 R561.2 R566.2 R569.2 R570.2 R571.2 R578.2 R579.2 R580.2 R582.2 R583.2 R714.2 R716.1 R728.1 R750.1 R791.1 R800.2 R801.1 R802.2 R805.2 R841.2 R843.1 R846.2 R848.2 R850.2 R1002.2 R1089.2 R1093.2 R1100.2 R1101.2 R1105.2 R1146.2 R1147.2 R1157.2 R1159.1 R1160.2 SW1.2 SW2.2 T1.1(GND) T2.1(GND) TP7.1(TP) TP8.1(TP) TP38.1(TP) U4.3(GND0) U4.4(GND1) U4.5(AGND0) U4.17(POWER_PAD) U6.3(GND#3) U6.8(GND#8) U7.1(GND) U8.3(GND#3) U8.8(GND#8) U12.14(GND#14) U12.24(GND#24) U12.34(GND#34) U12.44(GND#44) U12.52(GND#52) U12.60(GND#60) U12.65(EXP_GND) U16.3(GND0) U16.4(GND1) U16.5(AGND0) U16.17(POWER_PAD) U29.3(GND0) U29.4(GND1) U29.5(AGND0) U29.17(POWER_PAD) U33.2(I/O2) U34.2(GND) U35.3(GND) U36.5(VSSD) U36.15(VSSA) U41.2(GND#2) U41.5(NC5) U41.6(NC6) U41.25(GND#25) U45.1(GND) U45.9(PAD) U46.65(GND(FLAG)) U47.4(GND) U50.2(GND) U51.5(GND) U51.9(PWPD) U52.2(PGND1) U52.7(AGND) U52.14(PGND2) U52.17(POWER_PAD) U53.2(GND) U54.2(GND) U55.7(GND) U55.15(GND_EP) U57.A10(VSS#A10) U57.C9(VSS#C9) U57.D4(VSS#D4) U57.D5(VSS#D5) U57.D6(VSS#D6) U57.D7(VSS#D7) U57.E4(VSS#E4) U57.E5(VSS#E5) U57.E6(VSS#E6) U57.E7(VSS#E7) U57.F4(VSS#F4) U57.F5(VSS#F5) U57.F6(VSS#F6) U57.F7(VSS#F7) U57.G4(VSS#G4) U57.H1(VSS#H1) U57.K10(VSS#K10) U60.2(GND) U61.2(GND) U62.2(PGND1) U62.7(AGND) U62.14(PGND2) U62.17(POWER_PAD) U63.1(GND) U64.2(GND) U65.1(A0) U65.2(A1) U65.3(A2) U65.4(GND) U66.2(GND) U111.3 Y6.2(G2#2) Y6.4(G2#4) Y7.2(GND)
GND_RET: C1.2 C2.2 C136.2 D1.1(ANODE) FB2.1 J66.1 J66.2 J66.3 J66.4 J66.S1 J66.S2 L1.1
VBAT: C54.2 R76.1 U12.51(VBAT)
VBUS_DET: R514.2 R515.2 R552.1 U46.48(VBUS_DET/GPIO2)
VBUS_UP: C638.2 R514.1 R567.2 R612.2 R631.1
VBUS_UP_A: J1.19 R612.1
VBUS_UP_B: J4.1(VBUS) R631.2
VCC_1V2: C616.2 C617.2 C618.2 C619.2 C620.2 C621.2 C622.2 C623.2 C624.1 FB16.1 FB68.1 R450.1 U46.5(VDD12#5) U46.8(VDD12#8) U46.13(VDD12#13) U46.21(VDD12#21) U46.28(VDD12#28) U46.31(VDD12#31) U46.51(VDD12#51) U46.57(VDD12#57)
VCC_1V8: C733.2 C757.2 D13.1(A) FB6.1 FB66.1 FB70.2 Q41.1(G) R316.1 R748.1 R749.1 R795.1 R803.1 R1094.2 R1096.1 R1151.1 U55.1(VCCA)
VCC_3V3: C18.2 C42.P C159.2 C169.2 C201.2 C231.2 C285.2 C306.2 C575.2 C579.1 C580.2 C581.1 C615.2 C625.2 C626.2 C627.2 C628.2 C629.1 C702.1 C703.1 C704.1 C705.1 C706.1 C711.1 C712.1 C713.1 C720.2 C732.1 C753.1 C808.2 C812.1 C813.1 C814.1 C815.1 C816.1 C821.1 C822.1 C823.1 D7.K D15.1(A) FB7.1 FB8.1 FB58.1 FB63.2 FB67.2 FB69.1 J6.4 J6.7 L30.2 L31.1 L33.2 L34.1 LD4.1(B-) LD5.1(B-) LD8.1(B-) LD11.1(B-) LD17.1(B-) Q21.1(G) Q29.5(G) Q30.1(G) Q31.1(G) R72.1 R76.2 R94.1 R95.1 R96.1 R239.1 R253.1 R254.2 R265.2 R266.2 R267.2 R268.2 R287.1 R309.2 R313.2 R341.2 R352.1 R353.1 R369.1 R466.1 R467.1 R470.1 R520.2 R521.1 R526.2 R527.2 R528.2 R542.2 R543.2 R544.2 R545.2 R546.2 R552.2 R555.2 R568.1 R572.1 R573.1 R574.1 R575.1 R715.1 R717.2 R744.1 R760.1 R761.1 R791.2 R826.2 R842.1 R1086.1 R1090.1 R1102.2 R1103.1 R1152.1 R1153.1 R1156.1 U7.4(VCC) U12.15(VCC#15) U12.25(VCC#25) U12.35(VCC#35) U12.45(VCC#45) U12.53(VCC#53) U35.5(VCC) U41.3(VDD) U41.28(VDDIO) U46.16(VDD33#16) U46.34(VDD33#34) U46.52(VDD33#52) U46.63(VDD33#63) U47.8(VCC) U52.12(PVIN) U52.16(AVIN) U53.1(VIN) U55.14(VCCB) U60.1(VIN) U62.12(PVIN) U62.16(AVIN)
VCC_5V: C6.1 C9.2 C52.1 C76.2 C81.1 C127.2 C129.1 C643.1 C700.1 C723.2 C728.1 C805.2 C834.2 D11.2(A2) D14.1(A) FB56.1 FB59.1 FB61.1 FS2.1 FS3.1 J22.13 J22.14 J68.1 J68.2 J68.3 J68.4 J68.5 R19.2 R127.2 R219.1 R567.1 R729.2 R851.1 R1003.1 R1095.2 R1097.1 R1161.2 R1162.2 U4.1(VIN1) U4.2(VIN2) U4.16(VIN0) U16.1(VIN1) U16.2(VIN2) U16.16(VIN0) U29.1(VIN1) U29.2(VIN2) U29.16(VIN0) U54.1(VIN) U61.1(VIN)
VCCO_A: C208.2 FB8.2 R63.2 U12.61(AVCC)
VDD_2: C830.1 C833.2 FB79.2 L36.2 R844.1
VDD_11: C835.2 C836.1 FB64.1 FB65.2 L37.2 R847.1
VDD_AUDIODAC_2: C48.2 C229.2 C831.1 C832.2 FB9.1 FB79.1 Q25.1(G) Q26.1(G) R79.1 R103.1 R331.1 R758.1 R759.1 U36.4(VDDD)
VDD_CORE_11: C737.2 C738.2 C739.2 FB64.2 U57.C10(VDDC11#C10) U57.K6(VDDC11#K6)
VDD_DSI_12: C748.2 C749.2 C750.2 FB68.2 U57.B10(VDD12_MIPI1) U57.J10(VDD12_MIPI0)
VDDIO_18: C743.2 C744.2 FB66.2 U57.J7(VDDIO18)
VDDIO_33: C735.2 C736.2 FB63.1 U57.H2(VDDIO33)
VSS_FET_6A: D9.1(ANODE) Q19.1(S1) Q19.2(S2) Q19.3(S3) Q20.1(S1) Q20.2(S2) Q20.3(S3)
1_8VCLK: R84.1 U16.8(RT/CLK)
1_8VCOMP: C61.1 R91.1 U16.7(COMP)
1_8VFB: C67.2 R106.2 R122.2 U16.6(VSENSE)
1_8VPH: C60.2 L8.1 L9.1 U16.10(PH0) U16.11(PH1) U16.12(PH2)
1_8VUNREG: C28.1 C38.2 C43.2 C49.1 C51.1 C67.1 FB6.2 L8.2 L9.2 R122.1
2.8_V: C729.2 C731.2 J68.19 J68.20 J69.9 J69.10
3_3VCLK: R41.1 U4.8(RT/CLK)
3_3VCOMP: C23.1 R37.1 U4.7(COMP)
3_3VFB: C19.2 R28.2 R30.2 U4.6(VSENSE)
3_3VPH: C10.2 L4.1 L5.1 U4.10(PH0) U4.11(PH1) U4.12(PH2)
3_3VUNREG: C19.1 C29.1 C34.2 C36.1 C41.2 C175.1 FB7.2 L4.2 L5.2 R28.1
A_OSCK_R: R794.2 U57.J4(A_OSCK)
A_SCK_R: R792.2 U57.K7(A_SCK)
A_SD_R: R796.2 U57.J9(A_SD0)
A_WFS_R: R793.2 U57.K5(A_WFS)
ANA_PWR_IN: C144.1 D6.K(CATHODE) R219.2 R222.1 U12.4(PA6(ADC6))
ATEST: R351.2 U46.60(ATEST)
AUD_I2S_CLK: C1001.1 R792.1 U36.1(BCK)
AUD_I2S_DATA: R796.1 U36.3(DATAI)
AUD_I2S_WS: C1002.1 R793.1 U36.2(WS)
AUD_JACK_DET: R237.2 R245.1 TP40.1(TP)
AUD_JACK_P10: R245.2 TP41.1(TP)
AUD_MCU_JACKDETECT: Q10.2(D) R253.2 U12.6(PB0/AREF)
AUD_MCU_MUTE: Q25.2(D) R761.2 U12.19(PC3(A11))
AUD_MCUDAC_DEEM: Q26.2(D) R760.2 U12.18(PC2(A10))
AUD_MCUDAC_PCS: R85.2 U12.9(PB3/MISO/DAC1)
AUD_MIC_VCCR: FB58.2 FB60.2 Q15.3(COLLECTOR) R461.2
AUDIO_I2S_SYSCLK: R794.1 U36.6(SYSCLK)
AUDIO_MIC_VCC: C642.1 FB60.1 R560.1 U50.5(OUT)
AUDIO_MUTE: Q25.3(S) R758.2 U36.8(MUTE)
BNO_CAP: C584.1 U41.9(CAP)
BNO_INT: R467.2 U12.29(PD3(I\N\T\3\)) U41.14(H_INT)
BNO_RST: C633.1 R112.2 R466.2 U12.3(PA5(ADC5)) U41.11(RSTN)
BNO_SA0: R470.2 R472.1 U41.17(SA0)
BNO_SYNC: U12.39(PE3(AC-)) U41.10(NC10)
BNO_XIN: C582.2 R471.1 U41.27(XIN32) Y5.2(ENDB)
BNO_XOUT: C583.2 R471.2 U41.26(XOUT32) Y5.1(ENDA)
BUTTON1: C244.1 R536.2 U12.41(PE5(INT5))
C_VREF+: C209.2 R63.1 U12.62(PA0(AREF))
CEC_A1: R742.2 R765.2 R775.1
CEC_A1_CON: ESD21.1 R742.1 TP54.1(TP)
CEC_A_T: R775.2 U57.A2(CEC)
CPU_RST: R72.2 R75.1 U35.2(B)
CPU_USB_DM: R516.1 U12.32(PD6(T1)_MISO)
CPU_USB_DP: R518.1 U12.33(PD7(T2)_SCK)
CPU_XTAL1: C31.2 R64.2 U12.59(PR1/XTAL1) Y1.1(ENDA)
CPU_XTAL2: R52.2 R64.1 U12.58(PR0/XTAL2)
DAOUT: R807.2 U57.J2(DAOUT)
DDC1_5V: FB4.1 R610.2 R629.1 U34.5(VCC)
DDC1_5V_A: J1.16 R610.1
DDC1_5V_B: J28.18(+5V POWER) R629.2
DDCA1_GND: ESD5.1 FB23.1 J1.15 J28.17(DDC/CEC GROUND)
DEC1_DDCA_SCLA: R608.2 R627.1 R764.2 R772.1 R1085.2 U34.1(I/O1) U34.6(I/O4)
DEC1_DDCA_SCLA_A: J1.13 R608.1
DEC1_DDCA_SCLA_B: J28.15(SCL) R627.2
DEC1_DDCA_SDAA: R609.2 R628.1 R763.2 R768.1 R1088.2 U34.3(I/O2) U34.4(I/O3)
DEC1_DDCA_SDAA_A: J1.14 R609.1
DEC1_DDCA_SDAA_B: J28.16(SDA) R628.2
DEC_DDCA_SCLA_R: R772.2 U57.A3(DDC_SCL)
DEC_DDCA_SDAA_R: R768.2 U57.B3(DDC_SDA)
DET1_5V: D11.1(A1) FB4.2 R743.2 R745.1 R763.1 R764.1 R765.1 R770.1 R781.2 R1154.2
EDID_SW: U12.64(PA2(AD2)) U111.1 U111.2
EN_1_8V: C72.2 R25.2 R127.1 R197.2 U16.15(EN)
EN_1V2: C838.2 R210.2 R851.2 U29.15(EN)
EN_3_3V: C5.2 R19.1 R196.2 R202.2 U4.15(EN)
ENV_INT: R568.2 U12.38(PE2(AC+)) U41.4(ENV_INT)
FPGA2DAC_PCS: R85.1 R331.2 R340.1 U36.10(PCS)
GPIO8: R572.2 R582.1 U46.36(PRT_CTL1/GPIO8)
GPIO9: R573.2 R583.1 U46.35(PRT_CTL2/GPIO9)
GPIO10: R574.2 R578.1 U46.33(PRT_CTL3/GPIO10)
GPIO11: R575.2 R579.1 U46.32(PRT_CTL4/GPIO11)
HDMI_A_INT: Q41.2(D) R1152.2 U12.28(PD2(I\N\T\2\))
HDMI_A_SCL: U55.2(A1) U57.K4(I2C_SCL)
HDMI_A_SDA: U55.3(A2) U57.K3(I2C_SDA)
HDMI_D5V: C1112.2 Q42.3(COLLECTOR) R1153.2 U12.2(PA4(ADC4))
HDMI_EDID_PWR: C1009.2 C1010.2 C1111.2 D11.3(C) R1087.1 U64.5(V+) U65.8(VCC) U66.5(V+) U111.5
HDMI_EDID_SW: R1146.1 U64.6(IN) U66.6(IN) U111.4
HDMI_HDPHN_LEFT: R235.2 TP42.1(TP) U33.5(I/O5)
HDMI_HDPHN_RIGHT: R259.2 TP39.1(TP) U33.1(I/O1)
HDMI_HPD: D16.1(A1) R62.2 R1156.2
HDMI_INT: Q41.3(S) R795.2 R1151.2 U57.J3(INT)
HOTPLUG_DET1: Q21.2(D) R746.2
HOTPLUG_DET1_R: ESD22.1 R611.2 R630.1 R743.1 R746.1 R1149.2 R1155.2
HOTPLUG_DET1_R_A: J1.17 R611.1
HOTPLUG_DET1_R_B: J28.19(HOT_PLUG_DETECT) R630.2
IOVCC_COM_L: C721.2 J20.16 J20.17 R700.1 U53.5(VOUT)
IOVCC_COM_R: C809.2 J71.16 J71.17 R825.1 U60.5(VOUT)
LCD1_CLKN_L: R1110.2 R1130.2
LCD1_CLKN_T_COM_L: J20.26 R1130.1
LCD1_CLKP_L: R1111.2 R1131.1
LCD1_CLKP_T_COM_L: J20.25 R1131.2
LCD1_DATAN0_L: R1114.2 R1127.1
LCD1_DATAN0_T_COM_L: J20.29 R1127.2
LCD1_DATAN1_L: R1112.2 R1132.1
LCD1_DATAN1_T_COM_L: J20.23 R1132.2
LCD1_DATAN2_L: R1108.2 R1126.2
LCD1_DATAN2_T_COM_L: J20.32 R1126.1
LCD1_DATAN3_L: R1106.2 R1134.2
LCD1_DATAN3_T_COM_L: J20.20 R1134.1
LCD1_DATAP0_L: R1115.2 R1128.2
LCD1_DATAP0_T_COM_L: J20.28 R1128.1
LCD1_DATAP1_L: R1113.2 R1133.2
LCD1_DATAP1_T_COM_L: J20.22 R1133.1
LCD1_DATAP2_L: R1109.2 R1129.1
LCD1_DATAP2_T_COM_L: J20.31 R1129.2
LCD1_DATAP3_L: R1107.2 R1135.1
LCD1_DATAP3_T_COM_L: J20.19 R1135.2
LCD2_CLKN_R: R1120.2 R1140.2
LCD2_CLKN_T_COM_R: J71.26 R1140.1
LCD2_CLKP_R: R1121.2 R1141.1
LCD2_CLKP_T_COM_R: J71.25 R1141.2
LCD2_DATAN0_R: R1124.2 R1137.1
LCD2_DATAN0_T_COM_R: J71.29 R1137.2
LCD2_DATAN1_R: R1122.2 R1142.1
LCD2_DATAN1_T_COM_R: J71.23 R1142.2
LCD2_DATAN2_R: R1118.2 R1136.2
LCD2_DATAN2_T_COM_R: J71.32 R1136.1
LCD2_DATAN3_R: R1116.2 R1144.2
LCD2_DATAN3_T_COM_R: J71.20 R1144.1
LCD2_DATAP0_R: R1125.2 R1139.2
LCD2_DATAP0_T_COM_R: J71.28 R1139.1
LCD2_DATAP1_R: R1123.2 R1143.2
LCD2_DATAP1_T_COM_R: J71.22 R1143.1
LCD2_DATAP2_R: R1119.2 R1138.1
LCD2_DATAP2_T_COM_R: J71.31 R1138.2
LCD2_DATAP3_R: R1117.2 R1145.1
LCD2_DATAP3_T_COM_R: J71.19 R1145.2
LED1: C1003.2 J68.12 J69.1
LED2: C1004.2 J68.13 J69.2
LED3: C1005.2 J68.14 J69.3
LED4: C1006.2 J68.15 J69.4
LED5: C1007.2 J68.16 J69.5
LED6: C1008.2 J68.17 J69.6
LTC_G1: Q20.4(G) R508.2
LTC_G2: Q19.4(G) R507.1
LTC_GATE: D9.2(CATHODE) R507.2 R508.1 R511.1 U45.5(GATE)
LTC_OV: C632.1 R512.2 R513.1 U45.2(OV)
LTC_SHDNN: C602.1 R509.2 U45.8(S\H\D\N\)
LTC_UV: R510.2 R512.1 U45.3(UV)
MCU_EDID_R: R1092.1 U12.1(PA3(ADC3))
MCU_LEVEL SHIFT_OE: R749.2 R751.2 U12.63(PA1(ADC1))
MCU_PANEL_RESET: U12.50(PF4(ADC4)) U55.10(B4)
MCU_WP_DIS: R1148.1 U12.5(PA7(ADC7))
MIC_GND: J18.2 R548.1
MIC_IN: R464.1 R547.2 TP37.1(TP) U33.3(I/O3)
MIC_IN_C: C639.2 R464.2
MIC_IN_R: C577.2 C578.1 C639.1 J18.1 R463.1 R465.2
MIC_RESEETN: R271.2 R286.2 R287.2 U7.2(NRESET_OUT) U35.1(A)
MIPI_L_DSI0_0N: R1114.1 U57.B9(CDSI1D0N)
MIPI_L_DSI0_0P: R1115.1 U57.A9(CDSI1D0P)
MIPI_L_DSI0_1N: R1112.1 U57.B8(CDSI1D1N)
MIPI_L_DSI0_1P: R1113.1 U57.A8(CDSI1D1P)
MIPI_L_DSI0_2N: R1108.1 U57.B6(CDSI1D2N)
MIPI_L_DSI0_2P: R1109.1 U57.A6(CDSI1D2P)
MIPI_L_DSI0_3N: R1106.1 U57.B5(CDSI1D3N)
MIPI_L_DSI0_3P: R1107.1 U57.A5(CDSI1D3P)
MIPI_L_DSI0_CN: R1110.1 U57.B7(CDSI1CN)
MIPI_L_DSI0_CP: R1111.1 U57.A7(CDSI1CP)
MIPI_R_DSI1_0N: R1124.1 U57.H9(CDSI0D0N)
MIPI_R_DSI1_0P: R1125.1 U57.H10(CDSI0D0P)
MIPI_R_DSI1_1N: R1122.1 U57.G9(CDSI0D1N)
MIPI_R_DSI1_1P: R1123.1 U57.G10(CDSI0D1P)
MIPI_R_DSI1_2N: R1118.1 U57.E9(CDSI0D2N)
MIPI_R_DSI1_2P: R1119.1 U57.E10(CDSI0D2P)
MIPI_R_DSI1_3N: R1116.1 U57.D9(CDSI0D3N)
MIPI_R_DSI1_3P: R1117.1 U57.D10(CDSI0D3P)
MIPI_R_DSI1_CN: R1120.1 U57.F9(CDSI0CN)
MIPI_R_DSI1_CP: R1121.1 U57.F10(CDSI0CP)
NHOLD: R527.1 U47.7(H\O\L\D\)
NRST: J6.6 R303.2 U12.57(R\E\S\E\T\/PDI)
NRST_R: C220.1 D7.A R271.1 R303.1 R309.1
NWP: R526.1 U47.3(W\P\)
OSC_REFCLK: C759.1 R804.1 U57.K9(REFCLK)
OVDD_COM_L: C710.1 J20.4 J20.5 J20.6 J20.34 J20.35 J20.36 R711.1 TP27.1
OVDD_COM_R: C820.1 J71.4 J71.5 J71.6 J71.34 J71.35 J71.36 R838.1 TP28.1
OVSS_COM_L: C717.1 J20.1 J20.2 J20.3 J20.37 J20.38 J20.39 R713.1
OVSS_COM_R: C827.1 J71.1 J71.2 J71.3 J71.37 J71.38 J71.39 R840.1
PANEL_RESET: R65.2 R830.1 U55.5(A4)
PC_I2C_SCL: R353.2 R468.2 R531.1 R539.1 U12.17(PC1/SCL)
PC_I2C_SCL_CON: R539.2 R553.2 TP104.1
PC_I2C_SCL_R: R468.1 U41.19(H_SCL)
PC_I2C_SD_CON: R540.2 R554.2 TP105.1
PC_I2C_SDA: R94.2 R469.2 R532.1 R540.1 U12.16(PC0/SDA)
PC_I2C_SDA_R: R469.1 U41.20(H_SDA)
PC_SPI_MISO: TP57.1(TP) U12.22(PC6(A14)/MISO)
PC_SPI_MOSI: TP56.1(TP) U12.21(PC5(A13)/MOSI)
PC_SPI_SCK: R115.2 TP58.1(TP)
PC_SPI_SSN: R369.2 R1160.1 TP55.1(TP) U12.20(PC4(A12)/S\S\)
PCKIN: C756.2 C761.1 U57.K1(PCKIN)
PDI_DATA: R83.2 U12.56(PDI_DATA)
PDI_DATA_R: J6.3 R83.1 R86.2 R267.1
PE_I2C_SCL: Q30.3(S) R96.2 R1086.2 U12.37(PE1/SCL) U55.13(B1)
PE_I2C_SDA: Q31.3(S) R95.2 R1090.2 U12.36(PE0/SDA) U55.12(B2)
PFIL: C762.1 C763.1 R808.2 U57.K2(PFIL)
POWER_USB_CON: C255.2 ESD8.1 FB56.2 FS2.2 J10.1
PS_PGD_2V5: R107.2 R352.2 U12.26(PD0(I\N\T\0\))
RBIAS: R523.2 U46.64(RBIAS)
RESET_COM_L: C701.2 J20.13 R65.1 R700.2
RESET_COM_R: C807.2 J71.13 R825.2 R830.2
REXT: R762.2 U57.A1(REXT)
RST_HDMI_A: C760.1 R803.2 U55.4(A3) U57.K8(RESETN)
RST_N_HDMI_A: R113.2 U55.11(B3)
SFOR0: R79.2 R87.1 U36.11(SFOR0)
SFOR1: R92.1 R103.2 U36.7(SFOR1)
SM_CLK: J15.1 R522.2 R531.2 U46.38(SM_CLK/GPIO13)
SM_DAT: R521.2 R532.2 R558.1 U46.37(SM_DAT/GPIO12)
SPI_MISO: U46.42(SPI_DI) U47.2(SO)
SPI_MOSI: R528.1 U46.41(SPI_DO/GPIO5/SPI_SPD_SEL) U47.5(SI)
SPI_NCE: R555.1 U46.39(S\P\I\_\C\E\) U47.1(C\S\)
SPI_SCK: U46.40(SPI_CLK/GPIO4) U47.6(SCK)
SSTXM_C_DN1: C612.1 R734.1
SSTXM_C_DN1_R: J101.3 R734.2
SSTXM_C_DN3: C609.1 R740.1
SSTXM_C_DN3_R: J22.6 R740.2
SSTXM_C_UP: C604.2 R615.2 R636.2
SSTXM_C_UP_A: J1.23 R615.1
SSTXM_C_UP_B: J4.8(SSTX-) R636.1
SSTXP_C_DN1: C614.1 R735.1
SSTXP_C_DN1_R: J101.2 R735.2
SSTXP_C_DN3: C610.1 R741.1
SSTXP_C_DN3_R: J22.5 R741.2
SSTXP_C_UP: C605.2 R616.2 R637.2
SSTXP_C_UP_A: J1.24 R616.1
SSTXP_C_UP_B: J4.9(SSTX+) R637.1
SWIRE_COM_L: J20.12 TP50.1 U52.9(SWIRE)